# Altium PCB LB-word-PCB.PcbDoc (part 3 of 4) (continued)
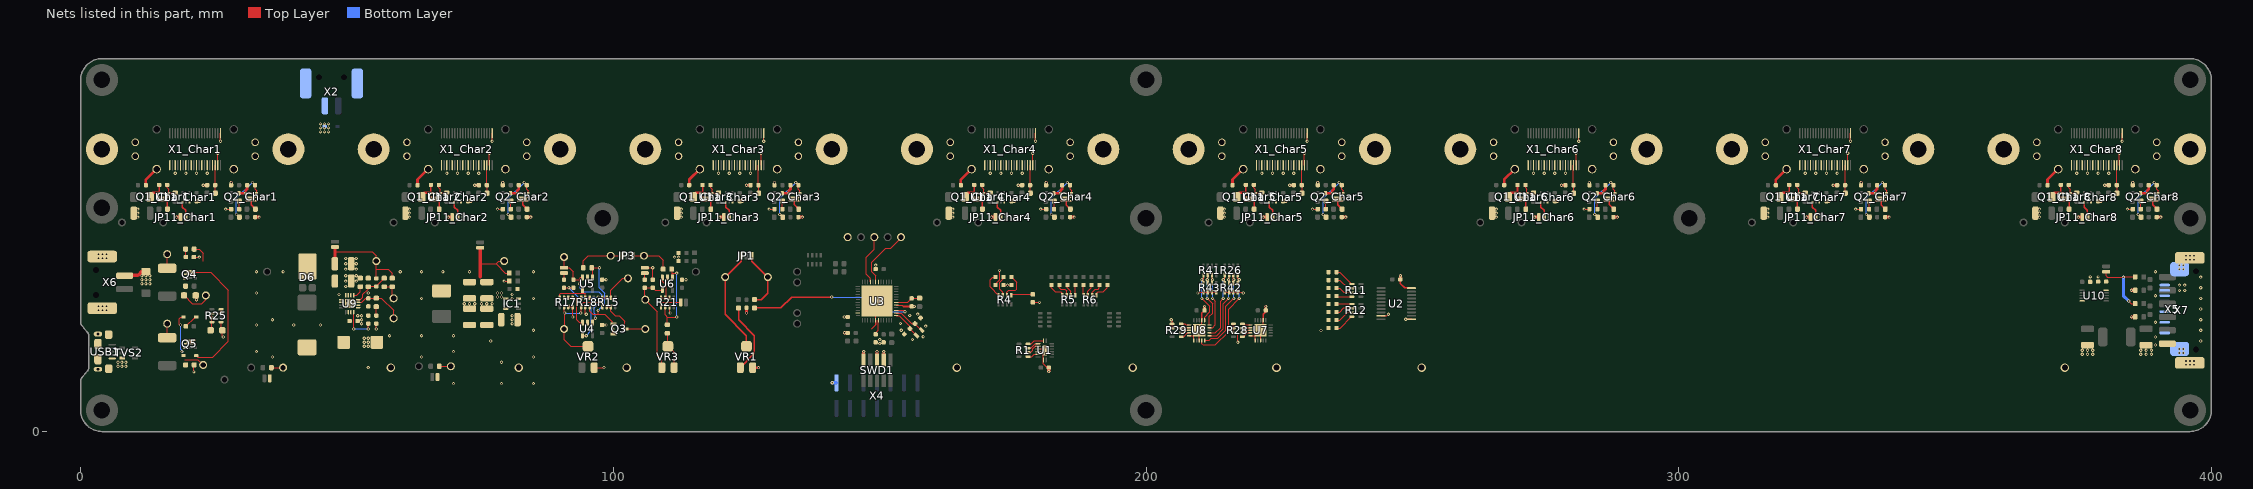
[diagram p5: the nets of this part, all layers, seen from the top]
## Nets (pads, with @x,y where several pads share a name; then routed paths per layer and width w, separated by ;. In a path a pad name is that pad's centre, name@x,y a point inside that pad or via, vN(x,y) a via of type N, cw(c..) or ccw(c..) an arc to the next point about the centre after c; other vN are vias at no path point) (continued)
NetC6_Char6_2: C6_Char6.2 Q2_Char6.G R8_Char6.2 | length 10.4
  Top Layer w0.15: v1(284.25,40.75) 284.3,40.75 R8_Char6.2@284.8,40.25 ; v1(287.25,46.75) C6_Char6.2@287.75,46.25
  Top Layer w0.2: C6_Char6.2@287.75,46.25 287.75,45.5 288.025,45.225 Q2_Char6.G@288.025,44.75 Q2_Char6.G@288.075,44.8
  Bottom Layer w0.15: v1(284.25,40.75) 284.25,43.75 v1(287.25,46.75)
NetC6_Char7_1: C6_Char7.1 F2_Char7.1 Q2_Char7.S | length 3.8
  Top Layer w0.2: Q2_Char7.S@336.975,44.75 337.008,44.717 Q2_Char7.S@337.9,44.717
  Top Layer w0.5: F2_Char7.1@335.7,44.75 Q2_Char7.S@336.975,44.75 336.975,45.225 337.25,45.5 C6_Char7.1@337.25,46.25
NetC6_Char7_2: C6_Char7.2 Q2_Char7.G R8_Char7.2 | length 10.4
  Top Layer w0.15: v1(335.25,40.75) 335.3,40.75 R8_Char7.2@335.8,40.25 ; v1(338.25,46.75) C6_Char7.2@338.75,46.25
  Top Layer w0.2: C6_Char7.2@338.75,46.25 338.75,45.5 339.025,45.225 Q2_Char7.G@339.025,44.75 Q2_Char7.G@339.075,44.8
  Bottom Layer w0.15: v1(335.25,40.75) 335.25,43.75 v1(338.25,46.75)
NetC6_Char8_1: C6_Char8.1 F2_Char8.1 Q2_Char8.S | length 3.8
  Top Layer w0.2: Q2_Char8.S@387.975,44.75 388.008,44.717 Q2_Char8.S@388.9,44.717
  Top Layer w0.5: F2_Char8.1@386.7,44.75 Q2_Char8.S@387.975,44.75 387.975,45.225 388.25,45.5 C6_Char8.1@388.25,46.25
NetC6_Char8_2: C6_Char8.2 Q2_Char8.G R8_Char8.2 | length 10.4
  Top Layer w0.15: v1(386.25,40.75) 386.3,40.75 R8_Char8.2@386.8,40.25 ; v1(389.25,46.75) C6_Char8.2@389.75,46.25
  Top Layer w0.2: C6_Char8.2@389.75,46.25 389.75,45.5 390.025,45.225 Q2_Char8.G@390.025,44.75 Q2_Char8.G@390.075,44.8
  Bottom Layer w0.15: v1(386.25,40.75) 386.25,43.75 v1(389.25,46.75)
NetC11_1: C11.1 FBA1.1 U3.6 | length 4.8
  Top Layer w0.2: U3.6@153.075,24.25 155.25,24.25 C11.1@156,25 157.25,25 FBA1.1@157.5,25.25
NetC12_1: C12.1 U3.43 | length 2.6
  Top Layer w0.2: C12.1@149.25,18.5 149.75,19 U3.43@149.75,20.925
NetC16_1: C16.1 C17.1 R15.6 R15.7 R15.8 TP7.1 U4.4 | length 24.1
  Top Layer w0.15: C16.1@90.9,27 v1(91.65,27) C17.1@92.4,27 ; U4.4@94.2,18.05 94.25,18 v1(94.9,18) ; v1(97.15,25.25) 97.3,25.1 R15.8@97.95,25.1 R15.7@98.75,25.1 R15.6@99.55,25.1 99.55,26.55 101.75,28.75 TP7.1@102.75,28.75
  Bottom Layer w0.15: v1(91.65,27) 93.4,25.25 95.9,25.25 ; v1(94.9,18) 95.9,19 95.9,25.25 ; v1(97.15,25.25) 95.9,25.25
NetC16_2: C16.2 JP2.1 | length 1.3
  Top Layer w0.15: C16.2@90.75,28.5 JP2.1@90.75,29.75
NetC17_2: C17.2 JP2.2 TP8.1 U4.1 U5.3 | length 20.1
  Top Layer w0.15: TP8.1@90.75,32.75 JP2.2@90.75,30.75 91.75,30.75 92.5,30 C17.2@92.5,28.5 ; C17.2@92.4,28.5 93.65,28.5 ; v1(93.65,27.75) 93.65,28.5 ; U5.3@94.2,28.95 93.85,28.95 93.65,28.75 93.65,28.5 ; U4.1@96.1,20.45 96.1,20.7 v1(96.65,21.25)
  Bottom Layer w0.15: v1(93.65,27.75) 93.65,27 94.4,26.25 97.25,26.25 97.85,25.65 97.85,24.7 96.4,23.25 96.4,22.25 96.65,22 v1(96.65,21.25)
NetC20_1: C20.1 C22.1 TP10.1 U6.4 VR3.3 | length 19.8
  Top Layer w0.15: VR3.3@109.1,12 109.1,13.4 108.25,14.25 108.25,22.5 TP10.1@106,24.75 105.9,24.85 C20.1@105.9,27 C22.1@107.4,27 107.85,26.55 U6.4@109.2,26.55
NetC20_2: C20.2 JP4.2 | length 1.3
  Top Layer w0.15: C20.2@105.9,28.5 JP4.2@105.9,29.75
NetC27_1: C27.1 C30.1 JP8.2 L24.1 SHUNT2.2 TP_SHUNT1.1 U9.2 U9.3 | length 2.2
  Top Layer w0.2: SHUNT2.2@35.8,12 TP_SHUNT1.1@38,12
NetC28_1: C28.1 C29.1 CFF1.1 D6.K JP9.1 R30.2 TP_OUT1.1 | length 19.7
  Top Layer w0.2: 47.75,33.75 54.75,33.75 55.5,33 55.5,31.75 55.5,30.5 ; CFF1.1@55.5,28.75 55.5,30.5 ; R30.2@58.5,28.8 58.5,29.75 57.75,30.5 55.5,30.5
  Top Layer w0.5: C29.1@47.723,31.5 47.75,31.527 47.75,33.75 JP9.1@47.75,34.625
NetC31_1: C31.1 R33.1 | length 1.7
  Top Layer w0.15: C31.1@55.5,21.75 R33.1@55.5,23.45
NetC32_1: C32.1 R33.2 TP_COMP1.1 U9.7 | length 9.5
  Top Layer w0.15: U9.7@52.075,24.25 52.75,24.25 53.5,25 C32.1@54,25 55.45,25 R33.2@55.5,25.05 56.45,25.05 58.75,22.75 TP_COMP1.1@58.75,21.25
NetC33_1: C33.1 U9.4 | length 6.9
  Top Layer w0.15: v1(51.25,19.25) U9.4@51.25,22.425 ; v1(54,19.25) C33.1@54,20.25
  Bottom Layer w0.15: v1(51.25,19.25) v1(54,19.25)
NetC35_1: C35.1 JP10.2 R35.2 R37.2 U10.10 | length 12.6
  Top Layer w0.2: JP10.2@380.25,30 380.25,29.25 380.5,29 v1(383.5,29) ; v1@383.5,29.027 R35.2@385.7,29.027 ; v1(384.5,24.5) 384.973,24.027 R37.2@385.7,24.027
  Bottom Layer w0.6: v1(383.5,29) 383.5,25.5 v1(384.5,24.5)
NetCBST1_1: CBST1.1 IC1.6
NetCFF1_2: CFF1.2 R31.1 R34.2 U9.8 | length 7.2
  Top Layer w0.15: U9.8@52.075,24.75 52.5,24.75 53,25.25 53,25.75 54,26.75 R34.2@54,27.2 54.05,27.25 CFF1.2@55.5,27.25 55.5,27.3 R31.1@57,28.8
NetCI1_1: CI1.1 CI2.1 CI3.1 IC1.3 JP6.2 SHUNT1.2 TP14.1 | length 2.2
  Top Layer w0.2: SHUNT1.2@67.3,12.25 TP14.1@69.5,12.25
NetCO1_1: CO1.1 CO2.1 JP7.1 L23.2 RFB1.2 TP15.1 | length 13.4
  Top Layer w0.2: 75,31.5 78,31.5 ; TP15.1@79.5,32 78.5,32 78,31.5 ; RFB1.2@80.45,29.75 79.75,29.75 78,31.5
  Top Layer w0.6: 75,29 75,31.5 JP7.1@75,34.5
NetCX1_1: CX1.1 U3.2 X3.1 | length 6.1
  Top Layer w0.155: U3.2@153.075,22.25 154.084,22.25 156.065,20.27 CX1.1@156.62,20.27 157.844,19.045 X3.1@157.895,19.045
NetCX2_1: CX2.1 U3.1 X3.2 | length 5.6
  Top Layer w0.155: U3.1@153.075,21.75 153.7,21.75 155.68,19.77 CX2.1@155.68,19.33 156.905,18.106 X3.2@156.905,18.055
NetD1_2: D1.2 Q4.G R22.1 TP18.1 | length 5.9
  Top Layer w0.2: D1.2@19.4,25.55 20.95,24 22.75,24 23.5,24.75 TP18.1@23.5,25.55
NetD3_A: D3.A F3.2 Q4.D R23.2 TP16.1 | length 36
  Top Layer w0.2: F3.2@16.25,30.665 TP16.1@16.25,33.3 ; Q4.D@19.575,29.55 20.175,29.55 Q4.D@20.5,29.875 ; Q4.D@19.575,30.2 20.175,30.2 Q4.D@20.5,29.875 ; R23.2@21.3,34.25 22.25,34.25 23.05,33.45 23.05,32.05 23,32 ; Q4.D@21.425,29.55 20.825,29.55 Q4.D@20.5,29.875 ; Q4.D@21.425,30.2 20.825,30.2 Q4.D@20.5,29.875 ; D3.A@21.7,14.25 22,13.95 24.75,13.95 27.75,16.95 27.75,26.5 24.375,29.875 Q4.D@20.5,29.875
NetD3_K: D3.K D4.K Q5.G R27.2 TP20.1 | length 11.3
  Top Layer w0.2: v1@18.5,20 18.5,21.2 18.8,21.5 D4.K@19.3,21.5 ; 19.5,13.45 22,13.45 22.95,12.5 TP20.1@23,12.5
  Bottom Layer w0.2: v1(18.75,20) 18.75,15.45 19.2,15 v1@19.25,15
  other v1: 19,15
NetD4_A: D4.A L22.1 | length 2.7
  Top Layer w0.2: L22.1@19.75,19.75 21.5,21.5 D4.A@21.7,21.5
NetD5_K: D5.K R25.2 R25.3 R25.4 | length 3.3
  Top Layer w0.2: D5.K@24.4,19 24.65,19.25 R25.4@24.65,20.55 R25.3@24.65,21.35 R25.2@24.65,22.15
NetF4_2: F4.2 Q5.D TP19.1 | length 2.6
  Top Layer w0.2: F4.2@16.25,17.615 TP19.1@16.25,20.25
NetFB1_Char1_2: FB1_Char1.2 Q1_Char1.D | length 5.9
  Top Layer w0.254: Q1_Char1.D@14.575,43.35 15.175,43.35 Q1_Char1.D@15.5,43.675 ; Q1_Char1.D@14.575,44 15.175,44 Q1_Char1.D@15.5,43.675 ; FB1_Char1.2@16.3,41.75 16.3,43.225 Q1_Char1.D@16.425,43.35 15.825,43.35 Q1_Char1.D@15.5,43.675 ; Q1_Char1.D@16.425,44 15.825,44 Q1_Char1.D@15.5,43.675
NetFB1_Char2_2: FB1_Char2.2 Q1_Char2.D | length 5.9
  Top Layer w0.254: Q1_Char2.D@65.575,43.35 66.175,43.35 Q1_Char2.D@66.5,43.675 ; Q1_Char2.D@65.575,44 66.175,44 Q1_Char2.D@66.5,43.675 ; FB1_Char2.2@67.3,41.75 67.3,43.225 Q1_Char2.D@67.425,43.35 66.825,43.35 Q1_Char2.D@66.5,43.675 ; Q1_Char2.D@67.425,44 66.825,44 Q1_Char2.D@66.5,43.675
NetFB1_Char3_2: FB1_Char3.2 Q1_Char3.D | length 5.9
  Top Layer w0.254: Q1_Char3.D@116.575,43.35 117.175,43.35 Q1_Char3.D@117.5,43.675 ; Q1_Char3.D@116.575,44 117.175,44 Q1_Char3.D@117.5,43.675 ; FB1_Char3.2@118.3,41.75 118.3,43.225 Q1_Char3.D@118.425,43.35 117.825,43.35 Q1_Char3.D@117.5,43.675 ; Q1_Char3.D@118.425,44 117.825,44 Q1_Char3.D@117.5,43.675
NetFB1_Char4_2: FB1_Char4.2 Q1_Char4.D | length 5.9
  Top Layer w0.254: Q1_Char4.D@167.575,43.35 168.175,43.35 Q1_Char4.D@168.5,43.675 ; Q1_Char4.D@167.575,44 168.175,44 Q1_Char4.D@168.5,43.675 ; FB1_Char4.2@169.3,41.75 169.3,43.225 Q1_Char4.D@169.425,43.35 168.825,43.35 Q1_Char4.D@168.5,43.675 ; Q1_Char4.D@169.425,44 168.825,44 Q1_Char4.D@168.5,43.675
NetFB1_Char5_2: FB1_Char5.2 Q1_Char5.D | length 5.9
  Top Layer w0.254: Q1_Char5.D@218.575,43.35 219.175,43.35 Q1_Char5.D@219.5,43.675 ; Q1_Char5.D@218.575,44 219.175,44 Q1_Char5.D@219.5,43.675 ; FB1_Char5.2@220.3,41.75 220.3,43.225 Q1_Char5.D@220.425,43.35 219.825,43.35 Q1_Char5.D@219.5,43.675 ; Q1_Char5.D@220.425,44 219.825,44 Q1_Char5.D@219.5,43.675
NetFB1_Char6_2: FB1_Char6.2 Q1_Char6.D | length 5.9
  Top Layer w0.254: Q1_Char6.D@269.575,43.35 270.175,43.35 Q1_Char6.D@270.5,43.675 ; Q1_Char6.D@269.575,44 270.175,44 Q1_Char6.D@270.5,43.675 ; FB1_Char6.2@271.3,41.75 271.3,43.225 Q1_Char6.D@271.425,43.35 270.825,43.35 Q1_Char6.D@270.5,43.675 ; Q1_Char6.D@271.425,44 270.825,44 Q1_Char6.D@270.5,43.675
NetFB1_Char7_2: FB1_Char7.2 Q1_Char7.D | length 5.9
  Top Layer w0.254: Q1_Char7.D@320.575,43.35 321.175,43.35 Q1_Char7.D@321.5,43.675 ; Q1_Char7.D@320.575,44 321.175,44 Q1_Char7.D@321.5,43.675 ; FB1_Char7.2@322.3,41.75 322.3,43.225 Q1_Char7.D@322.425,43.35 321.825,43.35 Q1_Char7.D@321.5,43.675 ; Q1_Char7.D@322.425,44 321.825,44 Q1_Char7.D@321.5,43.675
NetFB1_Char8_2: FB1_Char8.2 Q1_Char8.D | length 5.9
  Top Layer w0.254: Q1_Char8.D@371.575,43.35 372.175,43.35 Q1_Char8.D@372.5,43.675 ; Q1_Char8.D@371.575,44 372.175,44 Q1_Char8.D@372.5,43.675 ; FB1_Char8.2@373.3,41.75 373.3,43.225 Q1_Char8.D@373.425,43.35 372.825,43.35 Q1_Char8.D@372.5,43.675 ; Q1_Char8.D@373.425,44 372.825,44 Q1_Char8.D@372.5,43.675
NetFB3_Char1_2: FB3_Char1.2 Q2_Char1.D | length 6.5
  Top Layer w0.2: Q2_Char1.D@31.075,43.35 31.675,43.35 Q2_Char1.D@32,43.675 ; Q2_Char1.D@31.075,44 31.675,44 Q2_Char1.D@32,43.675 ; Q2_Char1.D@32.925,43.35 32.325,43.35 Q2_Char1.D@32,43.675 ; Q2_Char1.D@32.925,44 32.325,44 Q2_Char1.D@32,43.675
  Top Layer w0.3: Q2_Char1.D@32,43.675 32,42.55 FB3_Char1.2@32.8,41.75
NetFB3_Char2_2: FB3_Char2.2 Q2_Char2.D | length 6.5
  Top Layer w0.2: Q2_Char2.D@82.075,43.35 82.675,43.35 Q2_Char2.D@83,43.675 ; Q2_Char2.D@82.075,44 82.675,44 Q2_Char2.D@83,43.675 ; Q2_Char2.D@83.925,43.35 83.325,43.35 Q2_Char2.D@83,43.675 ; Q2_Char2.D@83.925,44 83.325,44 Q2_Char2.D@83,43.675
  Top Layer w0.3: Q2_Char2.D@83,43.675 83,42.55 FB3_Char2.2@83.8,41.75
NetFB3_Char3_2: FB3_Char3.2 Q2_Char3.D | length 6.5
  Top Layer w0.2: Q2_Char3.D@133.075,43.35 133.675,43.35 Q2_Char3.D@134,43.675 ; Q2_Char3.D@133.075,44 133.675,44 Q2_Char3.D@134,43.675 ; Q2_Char3.D@134.925,43.35 134.325,43.35 Q2_Char3.D@134,43.675 ; Q2_Char3.D@134.925,44 134.325,44 Q2_Char3.D@134,43.675
  Top Layer w0.3: Q2_Char3.D@134,43.675 134,42.55 FB3_Char3.2@134.8,41.75
NetFB3_Char4_2: FB3_Char4.2 Q2_Char4.D | length 6.5
  Top Layer w0.2: Q2_Char4.D@184.075,43.35 184.675,43.35 Q2_Char4.D@185,43.675 ; Q2_Char4.D@184.075,44 184.675,44 Q2_Char4.D@185,43.675 ; Q2_Char4.D@185.925,43.35 185.325,43.35 Q2_Char4.D@185,43.675 ; Q2_Char4.D@185.925,44 185.325,44 Q2_Char4.D@185,43.675
  Top Layer w0.3: Q2_Char4.D@185,43.675 185,42.55 FB3_Char4.2@185.8,41.75
NetFB3_Char5_2: FB3_Char5.2 Q2_Char5.D | length 6.5
  Top Layer w0.2: Q2_Char5.D@235.075,43.35 235.675,43.35 Q2_Char5.D@236,43.675 ; Q2_Char5.D@235.075,44 235.675,44 Q2_Char5.D@236,43.675 ; Q2_Char5.D@236.925,43.35 236.325,43.35 Q2_Char5.D@236,43.675 ; Q2_Char5.D@236.925,44 236.325,44 Q2_Char5.D@236,43.675
  Top Layer w0.3: Q2_Char5.D@236,43.675 236,42.55 FB3_Char5.2@236.8,41.75
NetFB3_Char6_2: FB3_Char6.2 Q2_Char6.D | length 6.5
  Top Layer w0.2: Q2_Char6.D@286.075,43.35 286.675,43.35 Q2_Char6.D@287,43.675 ; Q2_Char6.D@286.075,44 286.675,44 Q2_Char6.D@287,43.675 ; Q2_Char6.D@287.925,43.35 287.325,43.35 Q2_Char6.D@287,43.675 ; Q2_Char6.D@287.925,44 287.325,44 Q2_Char6.D@287,43.675
  Top Layer w0.3: Q2_Char6.D@287,43.675 287,42.55 FB3_Char6.2@287.8,41.75
NetFB3_Char7_2: FB3_Char7.2 Q2_Char7.D | length 6.5
  Top Layer w0.2: Q2_Char7.D@337.075,43.35 337.675,43.35 Q2_Char7.D@338,43.675 ; Q2_Char7.D@337.075,44 337.675,44 Q2_Char7.D@338,43.675 ; Q2_Char7.D@338.925,43.35 338.325,43.35 Q2_Char7.D@338,43.675 ; Q2_Char7.D@338.925,44 338.325,44 Q2_Char7.D@338,43.675
  Top Layer w0.3: Q2_Char7.D@338,43.675 338,42.55 FB3_Char7.2@338.8,41.75
NetFB3_Char8_2: FB3_Char8.2 Q2_Char8.D | length 6.5
  Top Layer w0.2: Q2_Char8.D@388.075,43.35 388.675,43.35 Q2_Char8.D@389,43.675 ; Q2_Char8.D@388.075,44 388.675,44 Q2_Char8.D@389,43.675 ; Q2_Char8.D@389.925,43.35 389.325,43.35 Q2_Char8.D@389,43.675 ; Q2_Char8.D@389.925,44 389.325,44 Q2_Char8.D@389,43.675
  Top Layer w0.3: Q2_Char8.D@389,43.675 389,42.55 FB3_Char8.2@389.8,41.75
NetJP1_1: JP1.1 TP4.1 VR1.2 | length 19.9
  Top Layer w0.25: JP1.1@124,33 124,32 TP4.1@121,29 121,22 125,18 VR1.2@125,16
NetJP1_3: JP1.3 R9.2 TP3.1 | length 11.3
  Top Layer w0.25: JP1.3@126,33 126,32 TP3.1@129,29 129,26 127.75,24.75 126.55,24.75 R9.2@126.5,24.8
NetJP3_1: JP3.1 R20.2 TP11.1 | length 7.7
  Top Layer w0.15: JP3.1@103.65,33 TP11.1@105.75,33 108.5,33 109.35,32.15 R20.2@109.35,30.5
NetJP3_3: JP3.3 R16.2 TP9.1 | length 9
  Top Layer w0.15: R16.2@94.35,30.75 94.35,32.1 95.25,33 98.9,33 JP3.3@101.65,33
NetJP5_2: JP5.2 R21.1 | length 4.4
  Top Layer w0.15: R21.1@108.95,23.4 108.95,24.05 109.15,24.25 JP5.2@112.65,24.25
NetJP11_Char1_2: JP11_Char1.2 U11_Char1.1 | length 3.1
  Top Layer w0.254: U11_Char1.1@19.1,43.05 19.1,42.15 19.75,41.5 JP11_Char1.2@19.75,40.25
NetJP11_Char2_2: JP11_Char2.2 U11_Char2.1 | length 3.1
  Top Layer w0.254: U11_Char2.1@70.1,43.05 70.1,42.15 70.75,41.5 JP11_Char2.2@70.75,40.25
NetJP11_Char3_2: JP11_Char3.2 U11_Char3.1 | length 3.1
  Top Layer w0.254: U11_Char3.1@121.1,43.05 121.1,42.15 121.75,41.5 JP11_Char3.2@121.75,40.25
NetJP11_Char4_2: JP11_Char4.2 U11_Char4.1 | length 3.1
  Top Layer w0.254: U11_Char4.1@172.1,43.05 172.1,42.15 172.75,41.5 JP11_Char4.2@172.75,40.25
NetJP11_Char5_2: JP11_Char5.2 U11_Char5.1 | length 3.1
  Top Layer w0.254: U11_Char5.1@223.1,43.05 223.1,42.15 223.75,41.5 JP11_Char5.2@223.75,40.25
NetJP11_Char6_2: JP11_Char6.2 U11_Char6.1 | length 3.1
  Top Layer w0.254: U11_Char6.1@274.1,43.05 274.1,42.15 274.75,41.5 JP11_Char6.2@274.75,40.25
NetJP11_Char7_2: JP11_Char7.2 U11_Char7.1 | length 3.1
  Top Layer w0.254: U11_Char7.1@325.1,43.05 325.1,42.15 325.75,41.5 JP11_Char7.2@325.75,40.25
NetJP11_Char8_2: JP11_Char8.2 U11_Char8.1 | length 3.1
  Top Layer w0.254: U11_Char8.1@376.1,43.05 376.1,42.15 376.75,41.5 JP11_Char8.2@376.75,40.25
NetL1_2: L1.2 R4.8 | length 4.7
  Top Layer w0.15: L1.2@171.75,29 171.25,29 170.75,28.5 170.75,27.15 R4.8@172.3,25.6
NetL2_2: L2.2 R4.7 | length 4
  Top Layer w0.15: R4.7@173.1,25.6 173.1,26.15 172.5,26.75 172.5,28 173.25,28.75 L2.2@173.25,29
NetL3_2: L3.2 R4.6 | length 5.3
  Top Layer w0.15: R4.6@173.9,25.6 173.9,26.15 174.25,26.5 175.5,26.5 175.75,26.75 175.75,28 L3.2@174.75,29
NetL4_2: L4.2 R4.5 | length 4.1
  Top Layer w0.15: R4.5@174.7,25.6 174.85,25.75 L4.2@178.75,25.75
NetL5_1: L5.1 R5.8 | length 3.3
  Top Layer w0.15: L5.1@182.25,27.5 182.25,27 183,26.25 184,26.25 184.3,25.95 R5.8@184.3,25.6
NetL6_1: L6.1 R5.7 | length 2.9
  Top Layer w0.15: L6.1@183.75,27.5 183.75,27 184,26.75 184.75,26.75 185.1,26.4 R5.7@185.1,25.6
NetL7_1: L7.1 R5.6 | length 2.2
  Top Layer w0.15: L7.1@185.25,27.5 185.25,27 185.9,26.35 R5.6@185.9,25.6
NetL8_1: L8.1 R5.5 | length 1.9
  Top Layer w0.15: R5.5@186.7,25.6 186.75,25.65 L8.1@186.75,27.5
NetL9_1: L9.1 R6.8 | length 1.9
  Top Layer w0.15: L9.1@188.25,27.5 188.25,25.65 R6.8@188.3,25.6
NetL10_1: L10.1 R6.7 | length 2.2
  Top Layer w0.15: R6.7@189.1,25.6 189.1,26.35 189.75,27 L10.1@189.75,27.5
NetL11_1: L11.1 R6.6 | length 2.8
  Top Layer w0.15: R6.6@189.9,25.6 189.9,26.15 190.5,26.75 191,26.75 191.25,27 L11.1@191.25,27.5
NetL12_1: L12.1 R6.5 | length 3.3
  Top Layer w0.15: R6.5@190.7,25.6 190.7,25.95 191,26.25 192,26.25 192.75,27 L12.1@192.75,27.5
NetL13_2: L13.2 R11.5 | length 3.8
  Top Layer w0.15: L13.2@235.75,29.925 236.375,29.925 238.55,27.75 R11.5@238.65,27.75
NetL14_2: L14.2 R11.6 | length 3.5
  Top Layer w0.15: L14.2@235.75,28.425 236.375,28.425 237.85,26.95 R11.6@238.65,26.95
NetL15_2: L15.2 R11.7 | length 3.2
  Top Layer w0.15: L15.2@235.75,26.925 236.375,26.925 237.15,26.15 R11.7@238.65,26.15
NetL16_2: L16.2 R11.8 | length 2.9
  Top Layer w0.15: L16.2@235.75,25.425 235.825,25.35 R11.8@238.65,25.35
NetL17_2: L17.2 R12.5 | length 2.9
  Top Layer w0.15: L17.2@235.75,23.925 235.825,24 R12.5@238.65,24
NetL18_2: L18.2 R12.6 | length 3.2
  Top Layer w0.15: L18.2@235.75,22.425 236.375,22.425 237.15,23.2 R12.6@238.65,23.2
NetL19_2: L19.2 R12.7 | length 3.5
  Top Layer w0.15: L19.2@235.75,20.925 236.375,20.925 237.85,22.4 R12.7@238.65,22.4
NetL20_2: L20.2 R12.8 | length 3.8
  Top Layer w0.15: L20.2@235.75,19.425 236.475,19.425 R12.8@238.65,21.6
NetL21_2: L21.2 R23.1 | length 1.5
  Top Layer w0.2: R23.1@19.7,34.25 19.75,34.2 L21.2@19.75,32.75
NetL25_Char1_2: L25_Char1.2 R24_Char1.1 | length 1.5
  Top Layer w0.15: L25_Char1.2@29.75,41.75 29.75,43.2 R24_Char1.1@29.8,43.25
NetL25_Char2_2: L25_Char2.2 R24_Char2.1 | length 1.5
  Top Layer w0.15: L25_Char2.2@80.75,41.75 80.75,43.2 R24_Char2.1@80.8,43.25
NetL25_Char3_2: L25_Char3.2 R24_Char3.1 | length 1.5
  Top Layer w0.15: L25_Char3.2@131.75,41.75 131.75,43.2 R24_Char3.1@131.8,43.25
NetL25_Char4_2: L25_Char4.2 R24_Char4.1 | length 1.5
  Top Layer w0.15: L25_Char4.2@182.75,41.75 182.75,43.2 R24_Char4.1@182.8,43.25
NetL25_Char5_2: L25_Char5.2 R24_Char5.1 | length 1.5
  Top Layer w0.15: L25_Char5.2@233.75,41.75 233.75,43.2 R24_Char5.1@233.8,43.25
NetL25_Char6_2: L25_Char6.2 R24_Char6.1 | length 1.5
  Top Layer w0.15: L25_Char6.2@284.75,41.75 284.75,43.2 R24_Char6.1@284.8,43.25
NetL25_Char7_2: L25_Char7.2 R24_Char7.1 | length 1.5
  Top Layer w0.15: L25_Char7.2@335.75,41.75 335.75,43.2 R24_Char7.1@335.8,43.25
NetL25_Char8_2: L25_Char8.2 R24_Char8.1 | length 1.5
  Top Layer w0.15: L25_Char8.2@386.75,41.75 386.75,43.2 R24_Char8.1@386.8,43.25
NetQ3_1: Q3.1 R16.1 R18.3 U5.1 | length 19.3
  Top Layer w0.15: R18.3@95.55,23.4 95.55,22.6 96.15,22 97.15,22 ; U5.1@96.1,28.95 96.1,30.6 R16.1@95.95,30.75 v1(97.4,30.75) ; v1(97.15,22.75) 97.15,22 ; Q3.1@99.775,20.2 99.775,20.625 98.4,22 97.15,22
  Bottom Layer w0.15: v1(97.15,22.75) 98.4,24 98.4,26 97.4,27 v1(97.4,30.75)
NetQ3_2: Q3.2 R15.2 R15.3 TP6.1 | length 10.2
  Top Layer w0.15: R15.2@98.75,23.4 R15.3@99.55,23.4 99.55,22.6 100.4,21.75 101.15,21.75 102.15,20.75 102.15,19.375 Q3.2@102.025,19.25 ; Q3.2@102.275,19.25 TP6.1@106,19.25
NetR1_5: R1.5 U1.6 | length 2
  Top Layer w0.15: R1.5@177.85,14.05 178.55,14.05 179,14.5 U1.6@179.7,14.5
NetR1_6: R1.6 U1.3 | length 2.5
  Top Layer w0.15: R1.6@177.85,14.85 178.35,14.85 178.75,15.25 178.75,15.5 179.25,16 U1.3@179.7,16
NetR1_7: R1.7 U1.2 | length 2.2
  Top Layer w0.15: R1.7@177.85,15.65 178.4,15.65 179.25,16.5 U1.2@179.7,16.5
NetR1_8: R1.8 U1.1 | length 3.1
  Top Layer w0.15: R1.8@177.85,16.45 178.45,16.45 179.05,17.05 U1.1@180.75,17.05
NetR10_2: R10.2 VR1.3 | length 13.5
  Top Layer w0.25: R10.2@123.5,23.2 123.5,21 126.5,18 126.5,14.65 VR1.3@123.85,12
NetR15_1: R15.1 R17.2 R18.1 TP5.1 VR2.2 | length 20.7
  Top Layer w0.15: R17.2@90.75,23.4 90.75,22.4 v1(90.9,22.25) 90.9,19.15 90.75,19 90.75,17.25 92,16 VR2.2@95.25,16 ; v1(93.9,22.25) 93.95,22.3 R18.1@93.95,23.4 93.95,23.8 94.4,24.25 97.65,24.25 97.95,23.95 R15.1@97.95,23.4
  Bottom Layer w0.15: v1(90.9,22.25) v1(93.9,22.25)
NetR17_5: R17.5 R17.6 R17.7 R18.8 U4.3 | length 8.6
  Top Layer w0.15: R17.7@90.75,25.1 R17.6@91.55,25.1 R17.5@92.35,25.1 93.15,25.1 ; R18.8@93.95,25.1 93.15,25.1 ; U4.3@94.2,20.45 93.7,20.45 93.15,21 93.15,25.1
NetR17_8: R17.8 R18.6 R18.7 U5.4 | length 7.8
  Top Layer w0.15: R17.8@89.95,25.1 89.95,25.8 90.15,26 U5.4@94.15,26 ; U5.4@94.2,26.55 94.2,26.05 U5.4@94.15,26 ; R18.6@95.55,25.1 R18.7@94.75,25.1 94.75,25.9 94.65,26 U5.4@94.15,26
NetR19_1: R19.1 VR3.1 VR3.2 | length 7
  Top Layer w0.15: R19.1@110.15,18.45 110.25,18.35 VR3.2@110.25,16 111.4,14.85 VR3.1@111.4,12
NetR19_2: R19.2 R20.1 R21.2 U6.1 | length 15.9
  Top Layer w0.15: R21.2@109.75,23.4 109.75,21.9 110.15,21.5 ; R19.2@110.15,20.05 110.15,21.5 ; R20.1@110.95,30.5 111.1,30.35 111.1,29.75 ; U6.1@111.1,28.95 111.1,29.75 ; v1(111.9,21.5) 110.15,21.5 ; v1(111.9,29.75) 111.1,29.75
  Bottom Layer w0.15: v1(111.9,21.5) v1(111.9,29.75)
NetR21_6: R21.6 R21.7 R21.8 U6.3 | length 5.8
  Top Layer w0.15: R21.8@108.95,25.1 R21.7@109.75,25.1 ; U6.3@109.2,28.95 109.2,28.2 109.9,27.5 109.9,25.25 R21.7@109.75,25.1 ; R21.6@110.55,25.1 R21.7@109.75,25.1
NetR25_7: R25.7 R25.8 | length 0.8
  Top Layer w0.2: R25.7@26.35,22.15 R25.8@26.35,22.95
NetR26_1: R26.1 R42.8 U8.12 | length 13.6
  Top Layer w0.15: U8.12@211.9,18.5 213,18.5 214,19.5 214,24.5 v1(214.5,25) ; R42.8@214.8,27.75 R42.8@214.8,27.85 214.8,28.2 v1(214.5,28.5) 214.8,28.8 R26.1@214.8,29.4
  Bottom Layer w0.15: v1(214.5,25) v1(214.5,28.5)
NetR26_2: R26.2 R42.7 U8.11 | length 14.5
  Top Layer w0.15: U8.11@211.9,18 213.25,18 214.5,19.25 214.5,24 v1(215.5,25) ; R42.7@215.6,27.75 R42.7@215.6,27.85 215.6,28.4 v1(215.5,28.5) 215.6,28.6 R26.2@215.6,29.4
  Bottom Layer w0.15: v1(215.5,25) v1(215.5,28.5)
NetR26_3: R26.3 R42.6 U8.10 | length 16.6
  Top Layer w0.15: U8.10@211,17.1 211.85,17.1 212.25,17.5 213.5,17.5 215,19 215,23.5 v1(216.5,25) ; R42.6@216.4,27.75 R42.6@216.4,27.85 216.4,28.4 v1(216.5,28.5) 216.4,28.6 R26.3@216.4,29.4
  Bottom Layer w0.15: v1(216.5,25) v1(216.5,28.5)
NetR26_4: R26.4 R42.5 U8.9 | length 19.2
  Top Layer w0.15: U8.9@210.5,17.1 210.5,16.5 210.75,16.25 213,16.25 215.5,18.75 215.5,23 v1(217.5,25) ; R42.5@217.2,27.75 R42.5@217.2,27.85 217.2,28.2 v1(217.5,28.5) 217.2,28.8 R26.4@217.2,29.4
  Bottom Layer w0.15: v1(217.5,25) 217.475,25.025 217.475,28.475 v1(217.5,28.5)
NetR28_5: R28.5 U7.4 | length 1.8
  Top Layer w0.15: R28.5@218.1,17.8 218.3,17.8 219,18.5 219.25,18.5 U7.4@219.6,18.5
NetR28_6: R28.6 U7.3 | length 1.7
  Top Layer w0.15: R28.6@218.1,18.6 218.6,18.6 219,19 U7.3@219.6,19
NetR28_7: R28.7 U7.2 | length 1.5
  Top Layer w0.15: R28.7@218.1,19.4 218.2,19.5 U7.2@219.6,19.5
NetR28_8: R28.8 U7.1 | length 1.6
  Top Layer w0.15: R28.8@218.1,20.2 218.3,20 U7.1@219.6,20
NetR29_5: R29.5 U8.4 | length 1.8
  Top Layer w0.15: R29.5@206.6,17.8 207.05,17.8 207.75,18.5 U8.4@208.1,18.5
NetR29_6: R29.6 U8.3 | length 1.7
  Top Layer w0.15: R29.6@206.6,18.6 207.1,18.6 207.5,19 U8.3@208.1,19
NetR29_7: R29.7 U8.2 | length 1.5
  Top Layer w0.15: R29.7@206.6,19.4 206.9,19.4 207,19.5 U8.2@208.1,19.5
NetR29_8: R29.8 U8.1 | length 1.6
  Top Layer w0.15: R29.8@206.6,20.2 207.3,20.2 207.5,20 U8.1@208.1,20
NetR30_1: R30.1 R31.2 TP_LOOP1.1 | length 3.8
  Top Layer w0.2: R31.2@57,27.2 R30.1@58.5,27.2 58.5,25.25 TP_LOOP1.1@58.75,25
NetR32_2: R32.2 U9.9 | length 2.5
  Top Layer w0.15: U9.9@51.25,25.575 51.825,25.575 52.5,26.25 R32.2@52.5,27.2
NetR41_1: R41.1 R43.8 U8.16 | length 10.5
  Top Layer w0.15: v1(210.5,25) 212,23.5 212,22.5 211,21.5 U8.16@211,20.9 ; R43.8@210.8,27.75 R43.8@210.8,27.85 210.8,28.2 v1(210.5,28.5) 210.8,28.8 R41.1@210.8,29.4
  Bottom Layer w0.15: v1(210.5,25) v1(210.5,28.5)
NetR41_2: R41.2 R43.7 U8.15 | length 10.9
  Top Layer w0.15: v1(211.5,25) 212.5,24 212.5,22.25 211.9,21.65 U8.15@211.9,20 ; R43.7@211.6,27.75 R43.7@211.6,27.85 211.6,28.4 v1(211.5,28.5) 211.6,28.6 R41.2@211.6,29.4
  Bottom Layer w0.15: v1(211.5,25) v1(211.5,28.5)
NetR41_3: R41.3 R43.6 U8.14 | length 11.7
  Top Layer w0.15: U8.14@211.9,19.5 212.5,19.5 213,20 213,24.5 v1(212.5,25) ; R43.6@212.4,27.75 R43.6@212.4,27.85 212.4,28.4 v1(212.5,28.5) 212.4,28.6 R41.3@212.4,29.4
  Bottom Layer w0.15: v1(212.5,25) v1(212.5,28.5)